# Altium PCB Main_conection.PcbDoc (part 2 of 2)
Units mm, origin at the board's own origin, x right, y up, seen from the top; angles counter-clockwise.
Board outline 75.25 x 97.25 mm, 4 copper layers (Top Layer, Layer 1, Layer 2, Bottom Layer), stack 1.57 mm thick; 179 components, 91 nets, 461 pads, 215 vias.
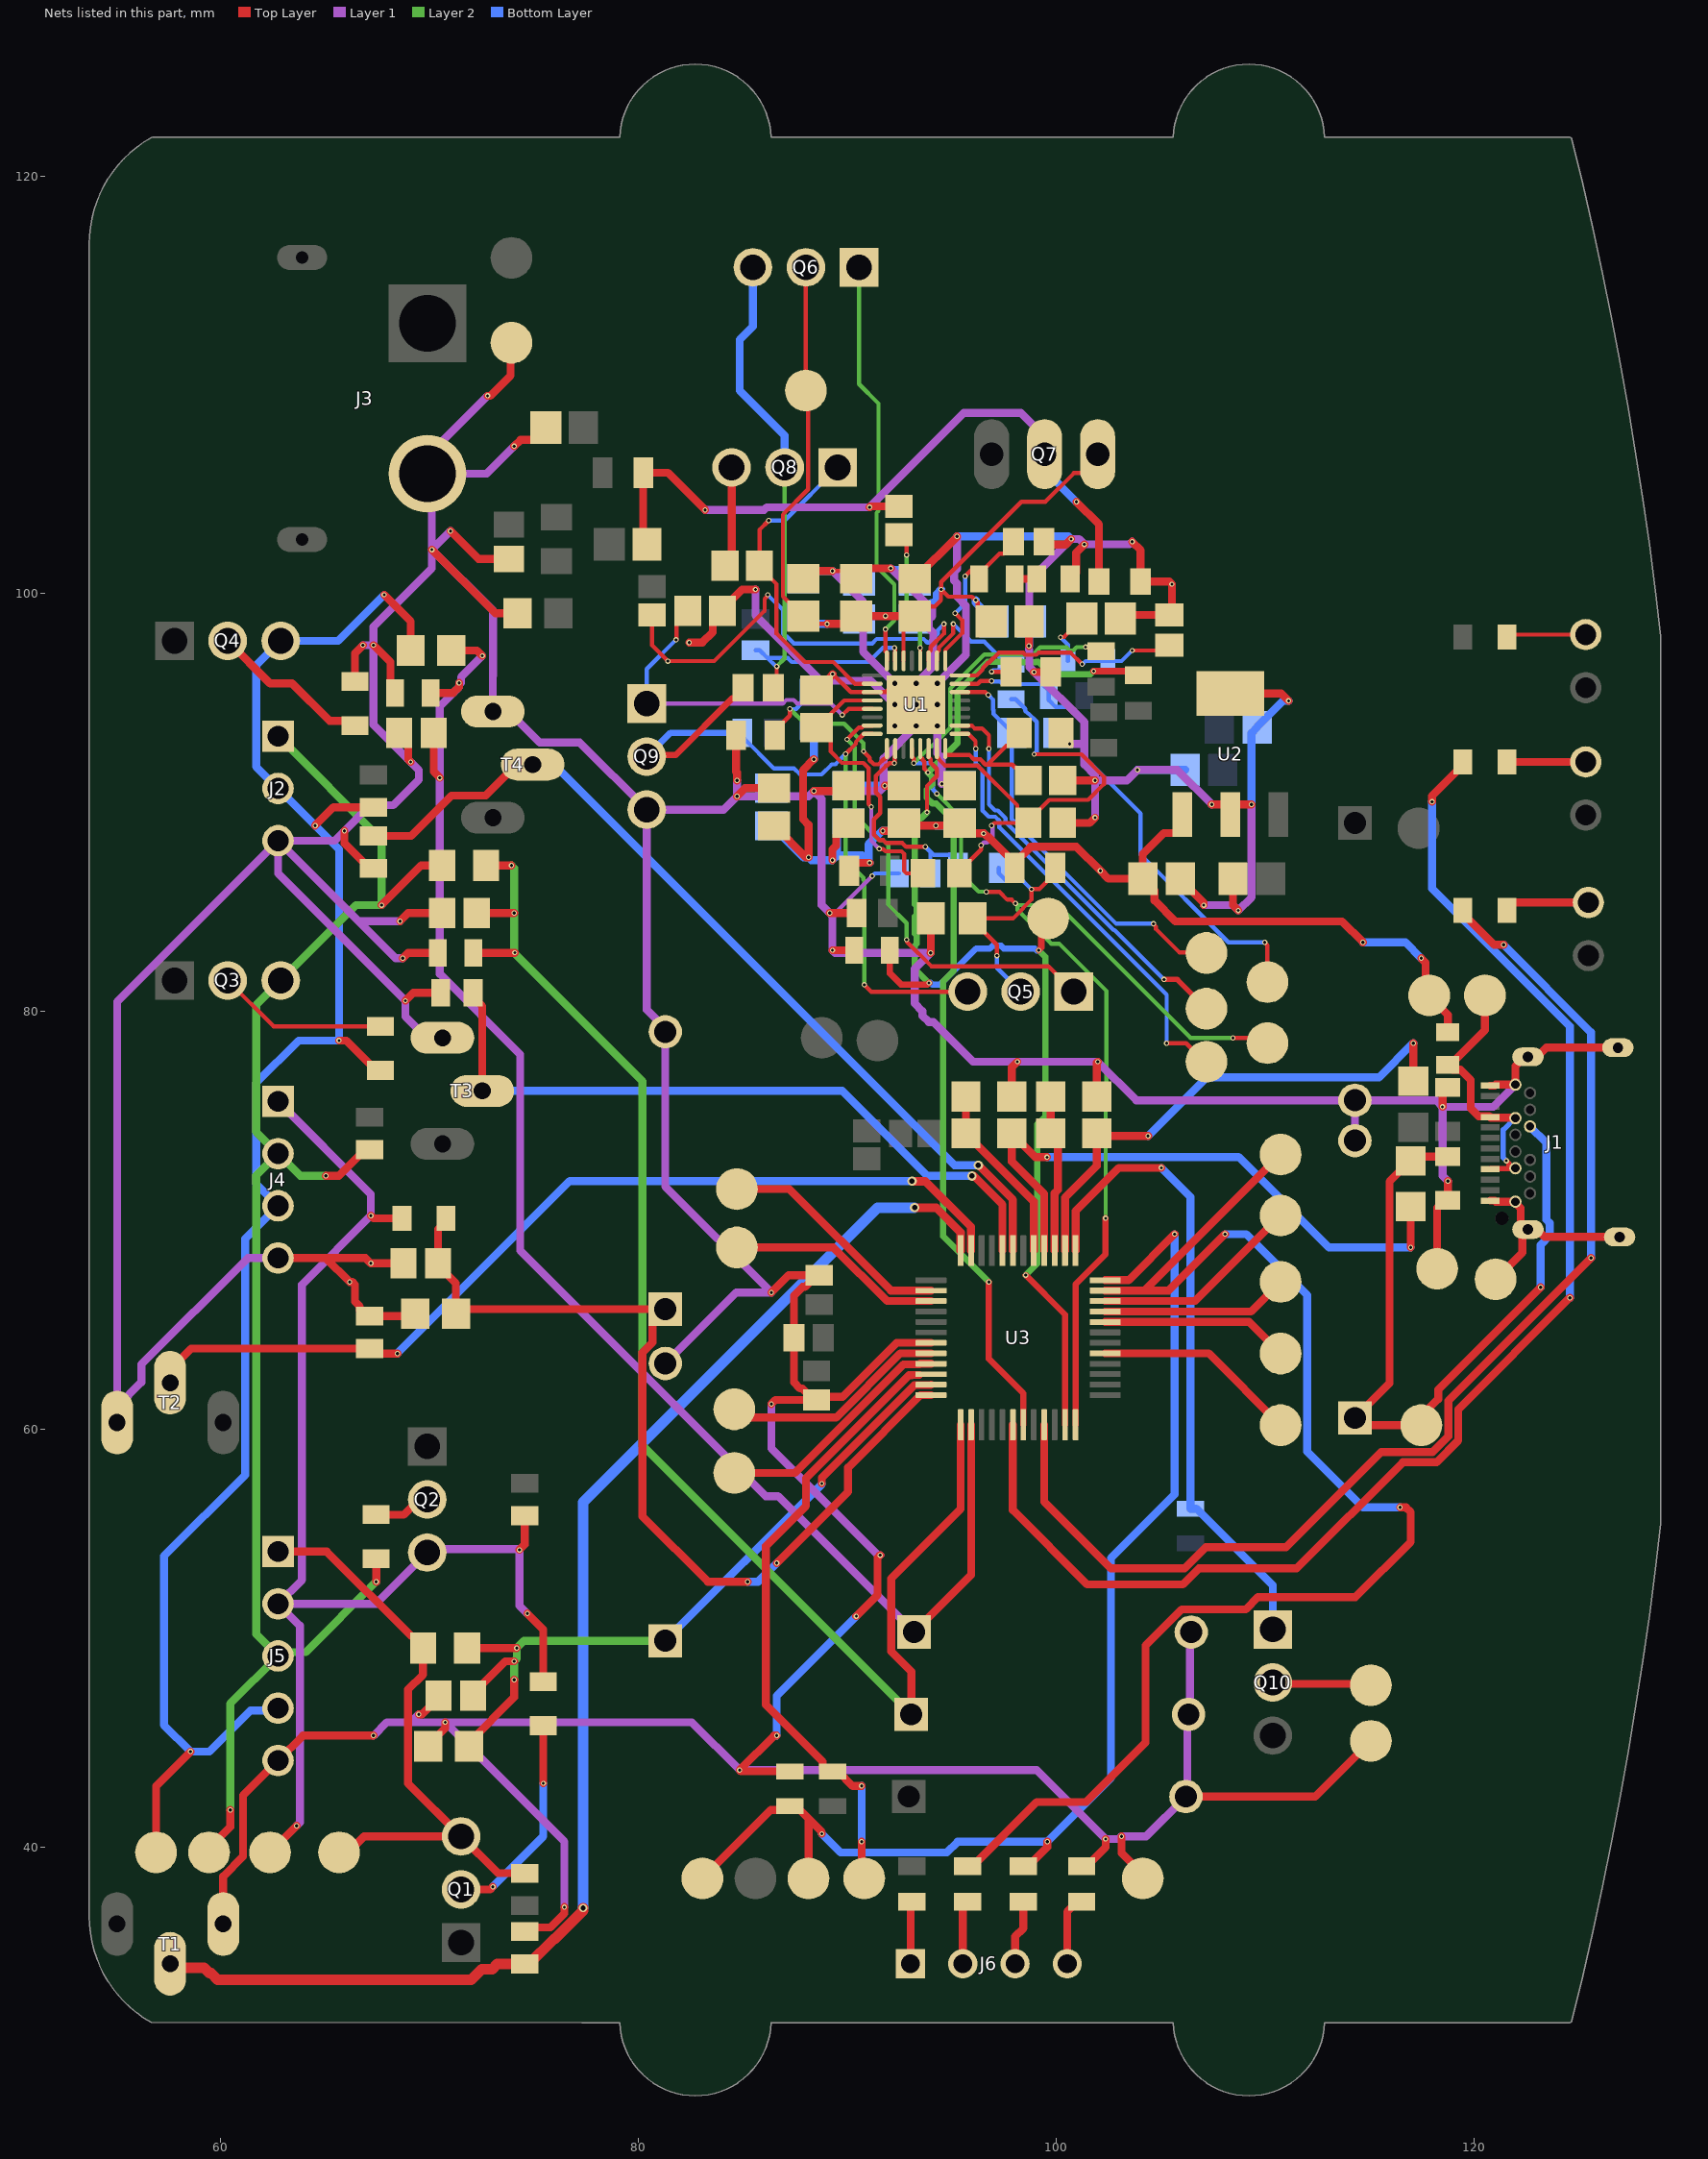
[diagram p4: the nets of this part, all layers, seen from the top]

## Via types
v1: diameter 0.25, hole 0.15, Top Layer to Bottom Layer, 210 vias
v2: diameter 0.45, hole 0.25, Top Layer to Bottom Layer, 4 vias
v3: diameter 0.4, hole 0.25, Top Layer to Bottom Layer, 1 vias

## Nets (pads, with @x,y where several pads share a name; then routed paths per layer and width w, separated by ;. In a path a pad name is that pad's centre, name@x,y a point inside that pad or via, vN(x,y) a via of type N, cw(c..) or ccw(c..) an arc to the next point about the centre after c; other vN are vias at no path point) (continued)
CC2_IN: D2.1 J1.B5 R4.2 R7.2 Tp2.1 | length 35.8
  Top Layer w0.381: R7.2@118.745,73.059 117.171,73.059 R4.2@116.967,72.855 116.947,72.855 115.955,71.863 115.955,62.2 D2.1@114.3,60.545 114.647,60.198 Tp2.1@117.475,60.198 117.475,60.636 118.285,61.446 118.285,61.897 v1(123.19,66.802)
  Bottom Layer w0.381: J1.B5@122.682,74.498 123.469,73.711 123.469,70.03 123.624,69.875 123.624,69.261 123.19,68.827 v1(123.19,66.802)
CELL_1S: J2.2 J4.3 J5.4 Q4.3 R13.1 R14.2 R39.2 Tp12.1 | length 86.6
  Top Layer w0.381: Tp12.1@56.896,39.751 56.896,42.926 v1(58.547,44.577) ; v1(64.516,88.9) 65.391,89.775 R14.2@67.31,89.775 ; v1(65.659,78.613) 66.004,78.613 67.435,77.182 R13.1@67.635,77.182 ; v1(67.818,99.949) 69.088,98.679 R39.2@69.088,97.282
  Bottom Layer w0.381: J5.4@62.738,46.649 62.624,46.535 61.412,46.535 59.454,44.577 v1(58.547,44.577) 57.277,45.847 57.277,53.93 61.166,57.818 61.166,69.127 J4.3@62.738,70.699 61.692,71.745 61.692,76.574 63.731,78.613 v1(65.659,78.613) 65.659,87.757 v1(64.516,88.9) J2.2@62.738,90.678 61.692,91.724 61.692,96.569 Q4.3@62.865,97.742 65.611,97.742 v1(67.818,99.949)
CELL_1S_ADC: C43.2 D3.1 R39.1 R45.2 U3.14 | length 73.9
  Top Layer w0.381: R45.2@70.037,95.25 71.12,95.25 71.407,95.537 v1(71.407,95.725) ; C43.2@70.187,93.345 70.187,91.484 v1(70.485,91.186) ; R39.1@71.04,97.282 72.263,97.282 v1(72.517,97.028) ; D3.1@93.184,50.292 95.921,53.029 U3.14@95.921,60.219
  Layer 1 w0.381: v1(71.407,95.725) 71.407,95.537 70.485,94.615 v1(70.485,91.186) 70.485,81.795 74.333,77.947 74.333,68.555 86.087,56.801 86.675,56.801 D3.1@93.184,50.292 ; v1@71.501,95.725 71.501,96.012 v1(72.517,97.028)
CELL_1S_DIS_EN: R16.2 T4.2 U3.43 | length 43.1
  Top Layer w0.381: R16.2@67.31,88.406 69.109,88.406 71.038,90.335 72.682,90.335 74.168,91.821 T4.2@74.93,91.821 ; v2(96.266,72.644) 97.921,70.989 U3.43@97.921,68.559
  Bottom Layer w0.381: T4.2@74.93,91.821 75.946,91.821 95.123,72.644 v2(96.266,72.644)
CELL_2S: J2.1 J4.2 J5.3 Q3.3 R10.1 R11.2 R37.2 Tp11.1 | length 77.7
  Top Layer w0.381: Tp11.1@59.436,39.751 59.436,39.941 60.452,40.957 v1(60.452,41.783) ; v1(65.024,72.136) 65.654,72.136 66.91,73.392 R11.2@67.112,73.392 ; v1(67.437,52.705) R10.1@67.437,53.814 ; v1(67.691,85.09) 69.596,86.995 R37.2@70.597,86.995
  Layer 2 w0.381: v1(60.452,41.783) 60.452,46.863 J5.3@62.738,49.149 ; J2.1@62.738,93.178 67.691,88.225 v1(67.691,85.09) 66.469,85.09 Q3.3@62.865,81.486 61.692,80.313 61.692,74.245 J4.2@62.738,73.199 ; v1(65.024,72.136) 63.801,72.136 J4.2@62.738,73.199 ; v1(67.437,52.705) 64.064,49.332 62.921,49.332 J5.3@62.738,49.149 ; J5.3@62.738,49.149 61.692,50.195 61.692,72.153 J4.2@62.738,73.199
CELL_2S_ADC: C40.2 D4.1 R37.1 R41.2 U3.13 | length 69.2
  Top Layer w0.381: R41.2@72.097,82.804 74.06,82.804 v1(74.074,82.818) ; C40.2@72.247,84.709 v1(74.041,84.709) ; R37.1@72.697,86.995 v1(73.914,86.995) ; D4.1@93.057,46.355 93.057,48.406 92.092,49.371 92.092,52.853 95.421,56.182 U3.13@95.421,60.219
  Layer 2 w0.381: v1(73.914,86.995) 74.041,86.868 v1(74.041,84.709) 74.041,82.851 v1(74.074,82.818) ; v1@74.051,82.794 80.188,76.657 80.188,59.224 D4.1@93.057,46.355
CELL_2S_DIS_EN: R12.2 T3.2 U3.44 | length 34.2
  Top Layer w0.381: R12.2@72.076,80.899 72.076,80.697 72.517,80.256 T3.2@72.517,76.2 ; v2(95.965,72.128) 96.052,72.128 97.421,70.76 U3.44@97.421,68.559
  Bottom Layer w0.381: T3.2@72.517,76.2 89.756,76.2 93.828,72.128 v2(95.965,72.128)
CELL_3S: J4.1 J5.2 Q2.3 R6.1 R8.2 R38.2 Tp10.1 | length 63.4
  Top Layer w0.381: Tp10.1@62.357,39.751 v1(63.627,41.021) ; v1(67.183,70.231) 67.31,70.104 R38.2@68.673,70.104 ; v1(74.295,54.229) 74.549,54.483 R8.2@74.549,55.866 ; v1(74.676,51.181) 75.438,50.419 R6.1@75.438,47.913
  Layer 1 w0.381: J4.1@62.738,75.699 67.183,71.254 v1(67.183,70.231) 63.881,66.929 63.881,52.792 J5.2@62.738,51.649 ; v1(63.627,41.021) 63.784,41.178 63.784,50.603 J5.2@62.738,51.649 ; v1(74.676,51.181) 74.295,51.562 v1(74.295,54.229) 74.264,54.26 70.039,54.26 67.428,51.649 J5.2@62.738,51.649
CELL_3S_ADC: C42.2 D5.1 R38.1 R44.2 U3.12 | length 45
  Top Layer w0.381: C42.2@70.4,67.845 71.252,66.993 R44.2@71.252,65.532 71.472,65.752 D5.1@81.28,65.752 80.67,65.142 80.67,64.163 80.188,63.68 80.188,55.829 83.312,52.705 v1(85.217,52.705) ; C42.2@70.4,67.945 70.4,69.581 70.773,69.954 R38.1@70.773,70.104 ; v1(86.614,53.594) 90.03,57.01 90.03,58.172 93.497,61.639 U3.12@94.001,61.639
  Bottom Layer w0.381: v1(85.217,52.705) 85.725,52.705 v1(86.614,53.594)
CELL_3S_DIS_EN: R9.2 T2.2 U3.47 | length 45
  Top Layer w0.381: T2.2@57.572,62.23 57.572,62.856 58.582,63.867 R9.2@67.112,63.867 67.352,63.627 v1(68.453,63.627)
  Top Layer w0.4: v2(93.091,71.882) 93.101,71.872 93.736,71.872 95.921,69.687 U3.47@95.921,68.559
  Bottom Layer w0.381: v1(68.453,63.627) 76.708,71.882 v2(93.091,71.882)
CELL_4S: J5.1 Q1.3 R1.2 R36.2 Tp9.1 | length 29.2
  Top Layer w0.381: J5.1@62.738,54.149 65.07,54.149 69.129,50.09 69.254,50.09 69.689,49.655 69.676,49.642 69.676,48.261 68.961,47.546 68.961,43.053 Q1.3@71.501,40.513 ; Tp9.1@65.659,39.751 66.097,39.751 66.859,40.513 Q1.3@71.501,40.513 ; R1.2@74.549,38.749 73.265,38.749 Q1.3@71.501,40.513
CELL_4S_ADC: C39.2 D6.1 R36.1 R42.2 U3.11 | length 36
  Top Layer w0.381: R36.1@71.789,49.53 v1(74.168,49.53) ; R42.2@71.882,44.831 71.882,45.011 74.041,47.17 v1(74.041,48.006) ; C39.2@72.072,47.244 72.072,47.344 73.623,48.895 v1(74.041,48.895) ; v1(88.773,57.404) 88.773,57.689 93.206,62.122 93.984,62.122 U3.11@94.001,62.139
  Layer 2 w0.381: v1(74.041,48.006) v1(74.041,48.895) 74.168,49.022 v1(74.168,49.53) 74.515,49.877 D6.1@81.28,49.877
  Bottom Layer w0.381: D6.1@81.28,49.877 88.773,57.37 v1(88.773,57.404)
CELL_4S_DIS_EN: R3.2 T1.2 U3.48 | length 66.3
  Top Layer w0.4: v2(93.218,70.612) 93.227,70.603 94.243,70.603 95.421,69.425 U3.48@95.421,68.559
  Top Layer w0.5: T1.2@57.572,34.417 57.77,34.218 59.2,34.218 59.452,33.967 59.531,33.967 59.843,33.655 71.981,33.655 72.487,34.161 72.991,34.161 73.234,34.403 74.751,34.403 75.95,35.602 75.991,35.602 77.343,36.955 v3(77.343,37.084)
  Bottom Layer w0.5: v3(77.343,37.084) 77.343,56.515 91.44,70.612 v2(93.218,70.612)
CELL_BATPRESZ: R25.1 R26.2 U1.18 | length 7.7
  Top Layer w0.2: U1.18@94.286,96.788 94.286,97.188 94.384,97.286 94.384,97.425 95.07,98.11 v1(95.07,98.552) ; v1(96.901,96.266) R26.2@97.831,96.266
  Bottom Layer w0.2: v1(95.07,98.552) 95.919,97.702 96.551,97.702 97.606,96.647 R25.1@97.831,96.647 97.506,96.322 96.971,96.322 96.915,96.266 v1(96.901,96.266)
CHRG_OK: R35.1 Tp18.1 U1.4 U3.24 | length 65.7
  Top Layer w0.2: U1.4@93.086,92.588 93.086,92.188 93.172,92.102 93.172,91.901 v1(93.182,91.891) ; v1(96.647,85.725) 97.282,85.725 97.656,85.351 97.864,85.351 v1(98.043,85.171) ; v1(101.403,97.446) 101.946,97.446 R35.1@102.149,97.243 ; v1(108.458,78.74) 108.468,78.73 109.865,78.73 Tp18.1@110.109,78.486
  Top Layer w0.3: U3.24@100.921,60.219 100.921,66.939 102.362,68.38 v1(102.362,70.104)
  Layer 2 w0.2: v1(93.182,91.891) 93.972,92.681 94.028,92.681 94.927,93.581 94.927,95.461 96.559,97.093 98.494,97.093 98.514,97.073 98.866,97.073 99.225,97.432 100.48,97.432 100.629,97.282 100.814,97.282 100.978,97.446 v1(101.403,97.446) ; v1(94.277,90.424) 95.442,89.259 95.442,86.58 96.287,85.735 96.637,85.735 v1(96.647,85.725) ; v1(98.043,85.171) 98.057,85.171 98.138,85.09 ; v1(102.362,70.104) 102.362,75.524 102.406,75.568 102.406,80.975 100.133,83.249 99.758,83.249 98.142,84.865 98.142,85.086 98.138,85.09 ; v1(108.458,78.74) 106.426,78.74 100.076,85.09 98.138,85.09
  Bottom Layer w0.2: v1(93.182,91.891) 94.003,91.891 94.278,91.616 94.278,91.264 94.093,91.078 94.093,90.622 94.277,90.438 v1(94.277,90.424)
CMPIN: R31.2 Tp15.1 U1.14 | length 19.9
  Top Layer w0.2: U1.14@95.386,95.288 96.595,95.288 96.732,95.152 v1(96.745,95.152) ; v1(104.648,84.201) 104.648,84.187 104.775,84.06 104.775,83.947 105.888,82.834 107.158,82.834 Tp15.1@107.188,82.804
  Bottom Layer w0.2: v1(96.745,95.152) 96.979,94.918 96.979,94.438 96.99,94.427 96.99,94.249 97.874,93.365 R31.2@97.874,93.345 97.874,89.197 102.87,84.201 v1(104.648,84.201)
COMP1: C28.2 R28.2 U1.16 | length 11.2
  Top Layer w0.2: U1.16@95.386,96.088 96.186,96.088 96.476,96.378 96.476,96.442 96.725,96.691 96.764,96.691 97.244,97.172 98.418,97.172 98.516,97.073 99.047,97.073 99.146,97.172 100.69,97.172 v1(101.239,96.623) ; v1(103.632,97.282) 105.156,97.282 C28.2@105.41,97.536
  Bottom Layer w0.2: v1(101.239,96.623) 101.253,96.623 101.404,96.774 R28.2@102.464,96.774 103.124,96.774 v1(103.632,97.282)
COMP2: C27.2 R30.2 U1.17 | length 7.8
  Top Layer w0.2: U1.17@94.686,96.788 94.686,97.3 95.495,98.109 95.495,98.73 v1(95.16,99.064) ; v1(95.631,100.838) R30.2@96.017,101.224 ; R30.2@96.305,100.711 96.305,100.936 97.283,101.914 97.479,101.914 97.954,102.389 C27.2@97.954,102.489
  Bottom Layer w0.2: v1(95.16,99.064) 95.631,99.535 v1(95.631,100.838)
EN_OTG: R34.1 U1.5 U3.19 | length 49.2
  Top Layer w0.2: U1.5@93.486,92.588 93.486,92.188 93.584,92.09 93.584,92.053 93.683,91.954 93.683,91.653 93.687,91.65 93.687,91.62 93.853,91.454 v1(93.853,91.44)
  Top Layer w0.3: v1(96.774,67.056) 96.774,63.373 98.421,61.726 U3.19@98.421,60.219 ; v1(101.789,96.293) 103.734,96.293 R34.1@103.927,96.1
  Layer 2 w0.3: v1(96.774,67.056) 94.581,69.249 94.581,81.437 95.09,81.946 95.09,89.114 94.255,89.949 94.08,89.949 93.802,90.227 93.802,90.621 94.043,90.861 94.043,91.25 v1(93.853,91.44) 95.279,92.866 95.279,95.315 96.704,96.741 98.349,96.741 98.368,96.721 99.012,96.721 99.031,96.741 99.13,96.741 99.723,96.148 101.644,96.148 v1(101.789,96.293)
F\A\N\_\E\N\: Q10.1 R53.1 U3.37 | length 31.3
  Top Layer w0.381: U3.37@100.921,68.559 100.921,70.441 102.997,72.517 v1(105.029,72.517)
  Bottom Layer w0.381: v1(105.029,72.517) 106.426,71.12 R53.1@106.426,56.199 106.701,56.199 110.363,52.536 Q10.1@110.363,50.419
GND: C1.1 C2.2 C5.1 C6.1 C9.2 C10.2 C11.2 C12.1 C13.1 C14.1 C15.1 C16.1 C17.1 C18.1 C19.1 C20.1 C21.1 C22.1 C23.1 C24.1 C25.1 C26.1 C27.1 C28.1 C29.1 C30.1 C31.1 C32.1 C33.1 C34.1 C35.1 C36.1 C37.1 C38.1 C39.1 C40.1 C41.1 C42.1 C43.1 C44.1 C45.1 C46.1 D1.2 D2.2 D3.2 D4.2 D5.2 D6.2 D7.2 J1.A1 J1.A12 J1.B1 J1.B12 J1.SH1 J1.SH2 J1.SH3 J1.SH4 J2.3 J3.2 J4.4 J5.5 Q9.3 R3.1 R5.1 R7.1 R9.1 R12.1 R15.1 R16.1 R26.1 R27.1 R29.1 R31.1 R41.1 R42.1 R43.1 R44.1 R45.1 R48.1 R50.1 R51.1 R61.1 T1.1 T2.1 T3.1 T4.1 Tp5.1 Tp6.1 Tp8.1 Tp20.1 Tp35.1 U1.27 U1.GND U1.GND1 U1.P$1 U1.P$2 U1.P$3 U1.P$4 U1.P$5 U1.P$6 U1.P$7 U1.P$8 U1.P$9 U2.2 U2.4 U3.7 | length 576.7
  Top Layer w0.2: v1(89.281,101.092) 90.054,101.092 C33.1@90.424,100.722 ; v1(89.295,96.154) 90.161,95.288 U1.27@91.186,95.288 91.831,95.288 92.247,95.704 U1.P$3@92.27,95.704 ; v1(94.518,90.902) 95.291,90.902 C26.1@95.377,90.816
  Top Layer w0.381: T1.1@60.112,36.322 60.112,38.599 61.065,39.553 61.065,42.476 J5.5@62.738,44.149 63.928,45.339 v1(67.31,45.339) ; J4.4@62.738,68.199 65.024,68.199 ; v1(65.913,88.646) 65.913,88.049 67.108,86.854 R16.1@67.31,86.854 ; R15.1@66.421,95.792 66.421,97.155 v1(66.802,97.536) ; v1(67.31,97.536) 68.119,96.727 68.119,95.469 R45.1@68.337,95.25 ; C43.1@68.537,93.345 68.972,92.91 68.972,92.064 v1(69.088,91.948) ; v1(68.58,84.328) 68.961,84.709 C40.1@70.597,84.709 ; v1(68.707,82.55) 68.961,82.804 R41.1@70.397,82.804 ; C42.1@68.75,67.945 v1(67.183,67.945) 66.929,68.199 65.024,68.199 ; v1(68.834,80.518) 69.215,80.899 R12.1@70.523,80.899 ; R44.1@69.3,65.532 69.187,65.419 R9.1@67.112,65.419 66.91,65.419 66.648,65.682 66.648,65.883 66.421,66.11 66.421,66.929 66.294,67.056 v1(66.167,67.056) 65.024,68.199 ; v1(69.477,46.355) 69.633,46.355 70.422,47.144 C39.1@70.422,47.244 ; R42.1@69.93,44.831 69.93,44.885 70.739,45.693 v1(70.739,45.974) ; v1(70.104,102.108) 73.152,99.06 R43.1@74.208,99.06 ; v1(70.993,102.997) 72.326,101.664 C41.1@73.787,101.664 ; v1(72.771,109.474) 72.898,109.474 73.866,110.442 73.866,111.966 Tp8.1@73.914,112.014 ; v1(74.041,107.061) 74.346,107.366 74.994,107.366 75.554,107.925 C1.1@75.554,107.95 ; R3.1@74.549,35.955 74.745,36.151 75.775,36.151 76.446,36.822 v1(76.446,37.126) ; v1(82.423,97.663) 83.058,97.663 83.55,98.155 83.55,98.727 C6.1@84.01,99.187 ; C6.1@84.01,99.262 84.951,100.203 v1(85.598,100.203) ; C11.2@84.673,93.218 84.673,91.476 84.709,91.44 v1(84.709,91.059) ; v1(84.709,90.297) 85.101,90.689 C20.1@86.487,90.689 ; v1(86.36,61.214) 86.549,61.403 C45.1@88.519,61.403 ; v1(86.36,66.548) 87.187,67.375 C44.1@88.646,67.375 88.521,67.375 87.963,66.817 87.85,66.817 87.438,66.405 C46.1@87.438,64.389 87.438,62.246 87.723,61.961 87.836,61.961 88.394,61.403 C45.1@88.519,61.403 ; v1(86.614,45.339) 86.487,45.339 v1(84.836,43.688) 84.898,43.626 R48.1@87.249,43.626 ; C31.1@87.884,100.722 88.254,101.092 v1(89.281,101.092) ; v1(88.392,90.551) 89.778,90.551 C22.1@90.043,90.816 ; C13.1@88.519,95.388 88.544,95.388 89.295,96.139 v1(89.295,96.154) ; v1(89.154,84.709) C9.2@90.436,84.709 ; v1(89.281,82.931) R29.1@90.336,82.931 ; v1(90.424,51.054) 91.44,52.07 91.44,53.848 v1(91.567,53.975) ; C33.1@90.424,100.722 90.921,101.219 v1(92.075,101.219) ; v1(91.786,90.805) 92.699,90.805 C24.1@92.71,90.816 ; C35.1@93.243,100.722 95.25,102.729 v1(95.25,102.743) ; v1(93.98,82.804) 93.996,82.82 C5.1@93.996,84.455 ; U3.7@94.001,64.139 92.351,64.139 89.765,61.554 88.67,61.554 C45.1@88.519,61.403 ; R51.1@97.874,75.925 97.874,77.333 v1(98.138,77.597) ; v1(98.69,97.498) C38.1@98.69,98.679 ; v1(98.933,96.246) 99.713,96.246 R26.1@99.733,96.266 ; C27.1@99.404,102.489 99.54,102.353 100.448,102.353 v1(100.711,102.616) ; R27.1@100.228,93.345 100.228,93.22 v1(100.641,92.807) ; C12.1@100.307,89.027 101.6,89.027 v1(101.854,89.281) ; C18.1@100.307,91.059 v1(101.854,91.059) ; C29.1@100.663,100.711 100.947,100.996 100.947,101.957 101.346,102.356 v1(101.346,102.362) ; R61.1@101.219,39.077 101.444,39.077 102.362,39.995 v1(102.362,40.386) ; R50.1@101.938,75.925 101.938,77.554 v1(101.981,77.597) ; C30.1@103.074,98.806 103.254,98.986 C28.1@105.41,98.986 105.537,99.113 v1(105.537,100.457) 105.41,100.584 C2.2@104.038,100.584 104.038,102.083 v1(103.632,102.489) ; v1(103.124,40.513) 103.124,39.708 104.14,38.692 Tp20.1@104.14,38.502 ; C14.1@105.94,86.36 105.94,86.335 107.061,85.214 v1(107.061,85.09) ; D7.2@106.206,42.418 112.395,42.418 Tp35.1@115.062,45.085 ; v1(107.442,89.916) 108.046,89.916 U2.2@108.331,89.631 ; U2.2@108.331,89.429 U2.2@108.331,89.631 ; U2.4@108.331,95.229 110.765,95.229 v1(111.125,94.869) ; C15.1@108.458,86.36 108.458,85.09 v1(108.712,84.836) ; v1(109.347,89.916) 108.616,89.916 U2.2@108.331,89.631 ; Tp6.1@118.237,67.691 118.237,70.601 118.595,70.959 R7.1@118.745,70.959 v1(118.745,71.882) ; v1(118.491,75.438) 118.491,76.107 R5.1@118.745,76.361 ; J1.A1@120.772,70.948 120.99,70.948 121.04,70.898 J1.B12@121.982,70.898 121.982,70.841 122.234,70.59 122.234,69.808 J1.SH3@122.474,69.568 ; J1.A12@120.772,76.448 120.99,76.448 121.04,76.498 J1.B1@121.982,76.498 121.982,77.388 122.422,77.828 J1.SH4@122.582,77.828 123.022,77.828 123.464,78.27 J1.SH2@126.89,78.27 ; Tp5.1@121.031,67.183 122.317,68.469 122.317,69.328 122.557,69.568 123.022,69.568 123.382,69.208 J1.SH1@126.972,69.208
  Layer 1 w0.2: v1(89.154,84.709) 89.164,84.719 89.418,84.719 v1(91.186,86.487)
  Layer 1 w0.381: T2.1@55.032,60.325 T2.1@55.032,61.087 ; J4.4@62.738,68.199 61.288,68.199 56.193,63.104 56.193,62.248 T2.1@55.032,61.087 ; v1(66.802,97.536) v1(67.31,97.536) ; v1(67.31,45.339) 67.945,45.974 69.096,45.974 ; v1(68.58,84.328) 66.588,84.328 ; v1(68.707,82.55) 68.366,82.55 66.588,84.328 ; v1(69.477,46.355) 69.096,45.974 ; T3.1@70.612,78.74 69.85,78.74 68.834,79.756 v1(68.834,80.518) 62.738,86.614 J2.3@62.738,88.178 ; v1(70.993,102.997) v1(70.104,102.108) ; v1(72.771,109.474) 69.888,106.591 J3.2@69.888,105.747 ; v1(74.041,107.061) 72.727,105.747 J3.2@69.888,105.747 ; v1(76.446,37.126) 76.446,40.267 v1(70.739,45.974) ; D6.2@81.28,63.153 84.675,66.548 v1(86.36,66.548) 81.28,71.628 D5.2@81.28,79.028 81.28,79.19 80.391,80.079 Q9.3@80.391,89.662 ; v1(84.709,91.059) v1(84.709,90.297) ; v1(85.598,100.203) 85.598,98.966 88.727,95.837 91.121,95.837 U1.P$2@92.27,94.688 ; v1(86.36,61.214) 86.36,59.088 91.473,53.975 v1(91.567,53.975) ; v1(89.281,101.092) 90.754,99.619 90.754,97.22 U1.P$3@92.27,95.704 ; v1@91.732,90.843 91.732,92.118 U1.P$9@93.286,93.672 ; v1(91.786,90.805) 91.532,90.551 v1(88.392,90.551) ; v1(92.075,101.219) 94.058,99.236 94.058,98.92 93.904,98.766 93.904,98.338 94.107,98.135 94.107,96.525 U1.P$8@93.286,95.704 ; U1.P$4@94.302,93.672 94.302,92.364 94.518,92.149 v1(94.518,90.902) ; U1.P$5@94.302,95.704 95.676,97.078 95.676,99.429 95.25,99.855 95.25,100.49 95.115,100.624 95.115,101.052 95.25,101.186 v1(95.25,102.743) ; v1(98.69,97.498) 98.69,97.322 98.705,97.308 98.705,96.494 98.933,96.266 v1(98.933,96.246) ; v1@98.705,97.498 98.705,100.61 v1(100.711,102.616) 101.092,102.616 v1(101.346,102.362) 103.505,102.362 v1(103.632,102.489) ; v1@98.943,96.256 101.346,93.853 101.346,93.693 101.338,93.686 101.338,93.258 101.346,93.251 101.346,92.807 ; v1(100.641,92.807) 101.346,92.807 ; v1(101.854,89.281) v1(101.854,91.059) ; D3.2@106.46,50.292 106.397,50.228 106.397,46.419 D4.2@106.333,46.355 106.27,46.291 106.27,42.481 D7.2@106.206,42.418 104.301,40.513 v1(103.124,40.513) 102.997,40.386 v1(102.362,40.386) 99.06,43.688 v1(84.836,43.688) 82.55,45.974 v1(70.739,45.974) ; v1(107.061,85.09) 108.458,85.09 v1(108.712,84.836) 109.347,85.471 v1(109.347,89.916) ; v1(107.442,89.916) 105.791,91.567 v1(103.886,91.567) 103.378,91.059 v1(101.854,91.059) ; D2.2@114.3,73.821 D1.2@114.3,75.751 ; v1(118.745,71.882) 118.491,72.136 v1(118.491,75.438) ; J1.B1@121.982,76.498 120.922,75.438 v1(118.491,75.438) ; T2.1@55.032,61.087 55.032,80.472 J2.3@62.738,88.178 ; J2.3@62.738,88.178 66.588,84.328 ; J2.3@62.738,88.178 65.445,88.178 v1(65.913,88.646) 67.14,89.873 68.25,89.873 69.477,91.099 69.477,91.559 v1(69.088,91.948) 67.31,93.726 v1(67.31,97.536) ; v1(67.31,97.536) 67.31,98.425 70.104,101.219 v1(70.104,102.108) ; 69.096,45.974 v1(70.739,45.974) ; J3.2@69.888,105.747 70.104,105.531 v1(70.104,102.108) ; v1(70.104,102.108) 73.033,99.179 73.033,96.069 73.025,96.062 T4.1@73.025,94.361 73.787,94.361 75.273,92.875 77.178,92.875 Q9.3@80.391,89.662 ; Q9.3@80.391,89.662 84.074,89.662 v1(84.709,90.297) ; v1(84.709,90.297) 88.138,90.297 v1(88.392,90.551) ; v1(88.392,90.551) 88.765,90.178 88.765,85.098 v1(89.154,84.709) 89.281,84.582 v1(89.281,82.931) 89.408,82.804 v1(93.98,82.804) 93.218,82.042 93.218,80.391 93.591,80.018 93.591,79.796 93.893,79.494 94.115,79.494 96.012,77.597 v1(98.138,77.597) v1(101.981,77.597) 103.827,75.751 D1.2@114.3,75.751 ; 101.346,92.807 101.346,91.821 101.854,91.313 v1(101.854,91.059) ; D1.2@114.3,75.751 118.178,75.751 v1(118.491,75.438)